# Altium PCB Layout.PcbDoc (part 1 of 4) (continued)
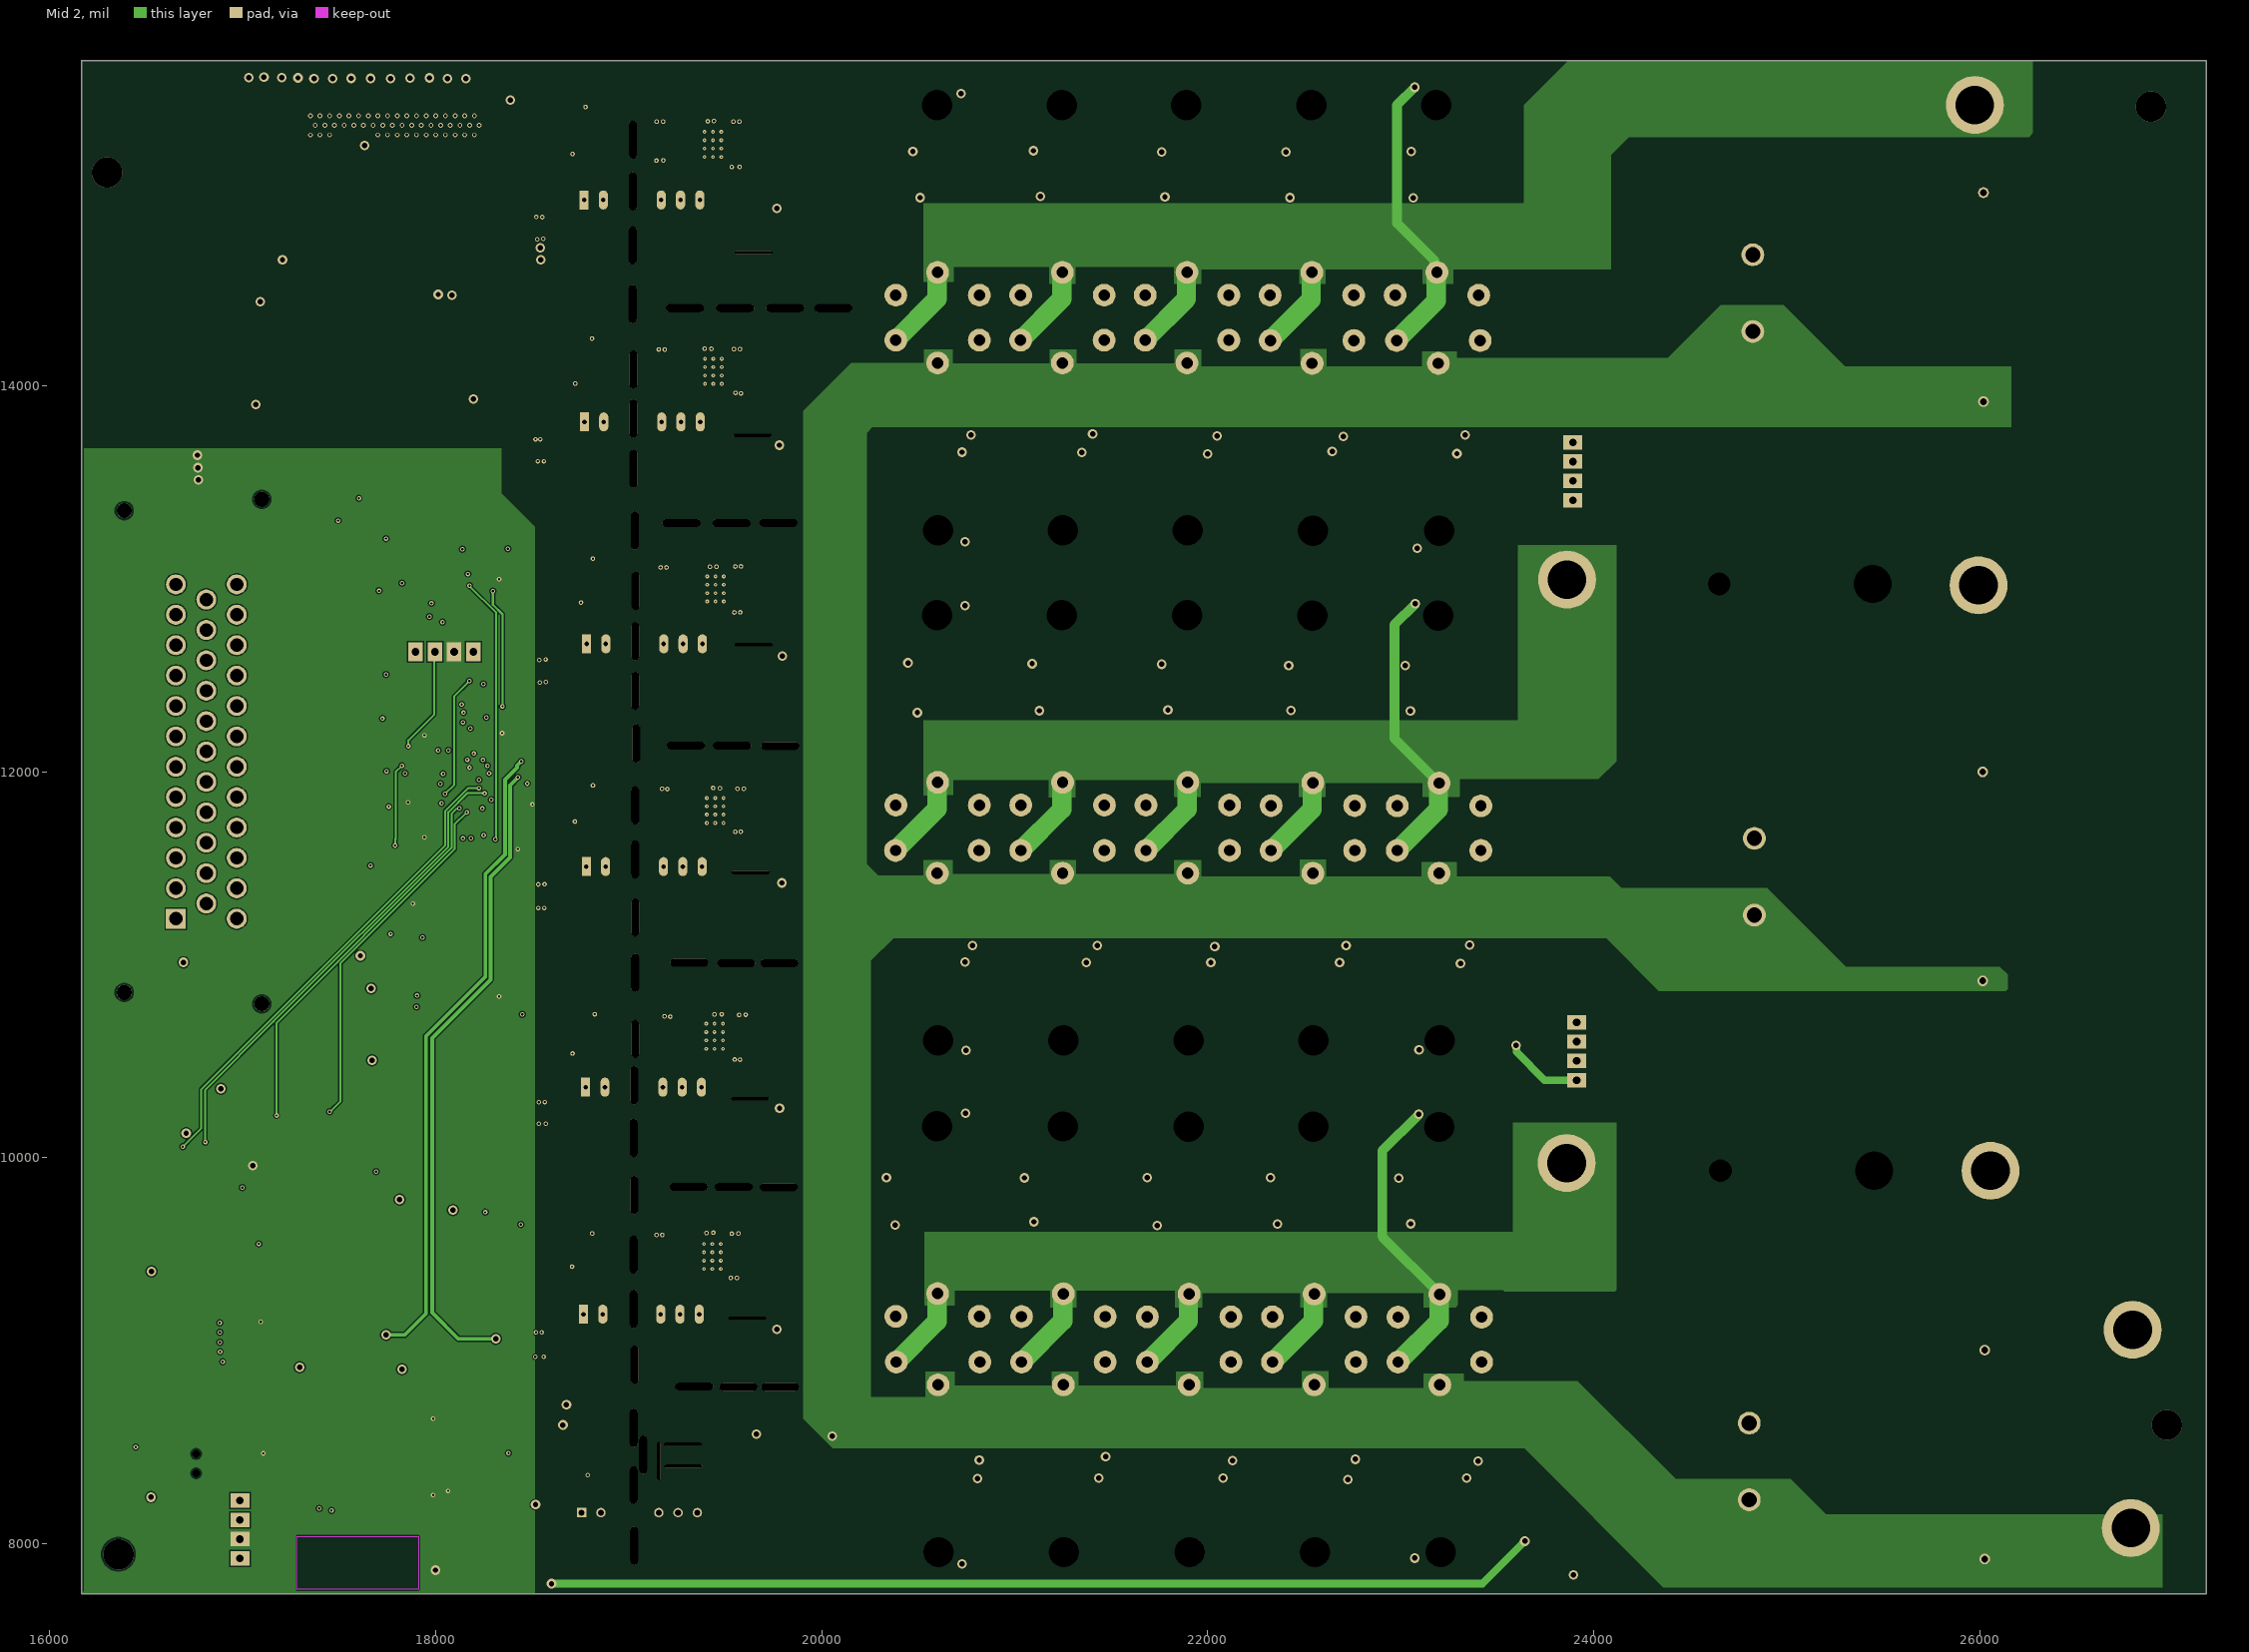
[diagram p3: Mid 2]
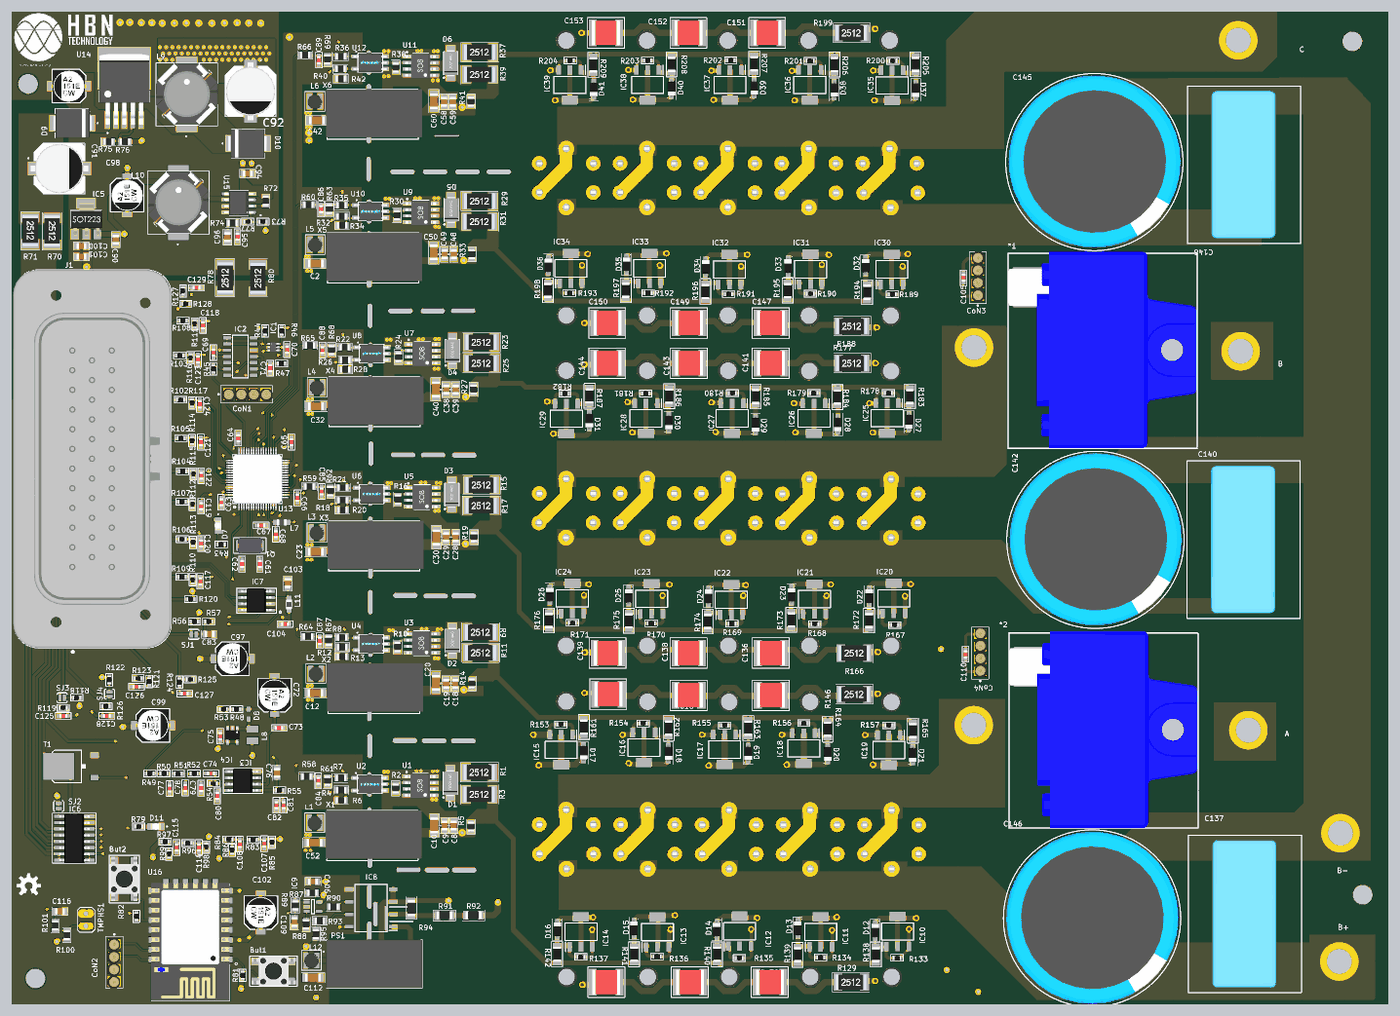
[diagram p7: 3D render of the assembled board from above, using the file's embedded part models]
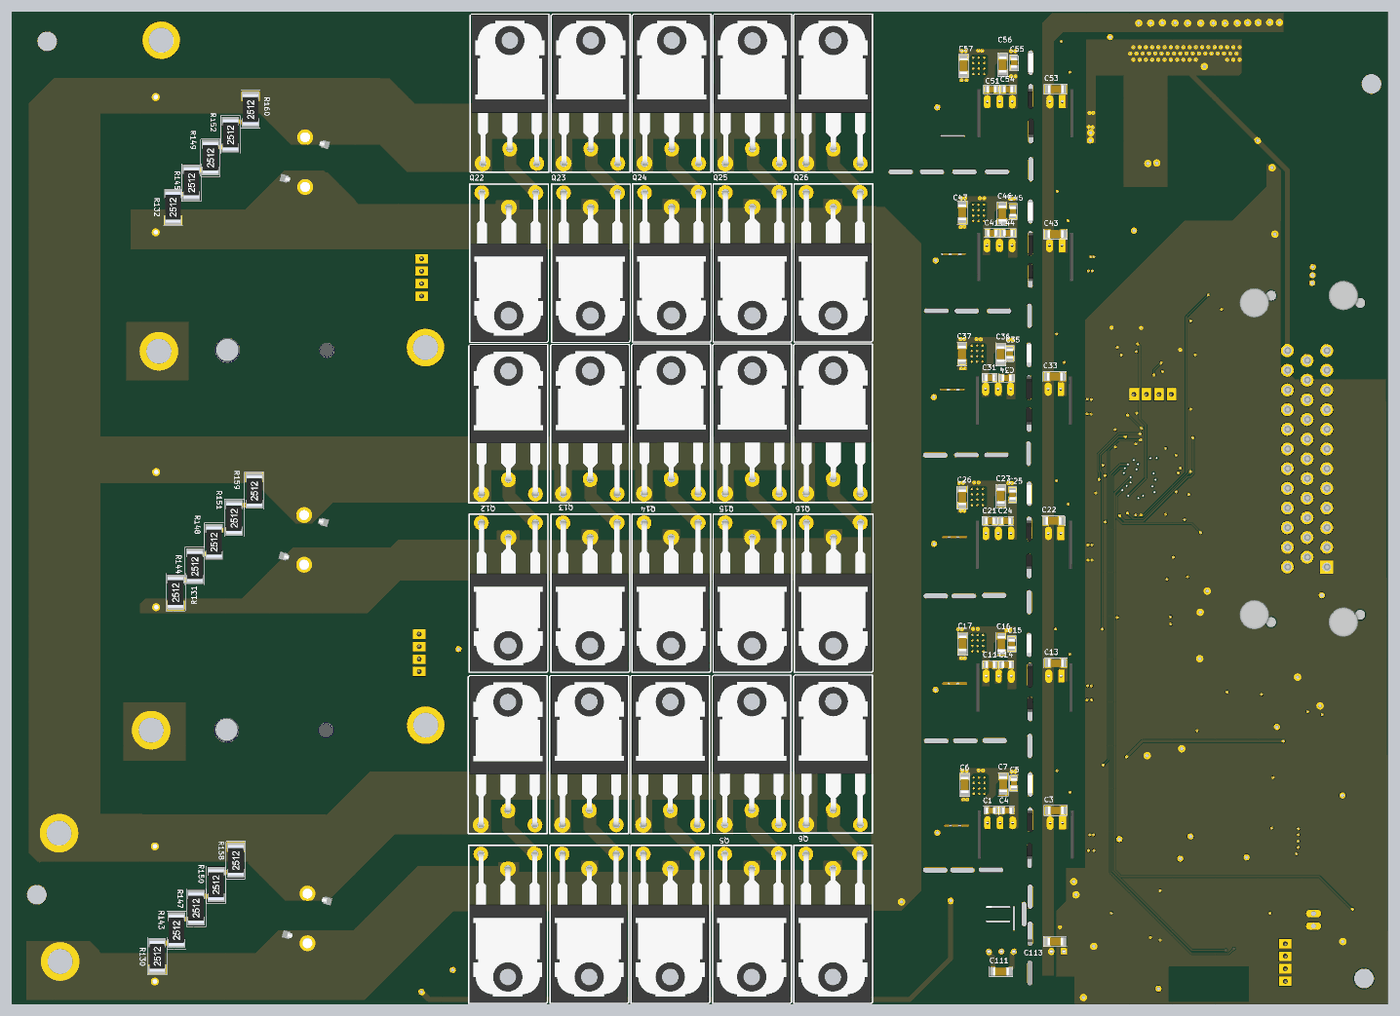
[diagram p8: 3D render of the assembled board from below, using the file's embedded part models]

## Layer stack, top to bottom
Top Solder: solder mask 0.4, Solder Resist, Dk 3.5
Top Layer: signal copper 1.378
Dielectric 2: prepreg 2.8, PP-006, Dk 4.1
Mid 1: signal copper 1.378
Dielectric 1: dielectric 12.6, FR-4, Dk 4.8
Mid 2: signal copper 1.378
Dielectric 3: prepreg 2.8, PP-006, Dk 4.1
Bottom Layer: signal copper 1.378
Bottom Solder: solder mask 0.4, Solder Resist, Dk 3.5

## Board outline
16165.19,7742.17 16165.19,15684.88 16165.35,15685.04 27172.24,15685.04 27173.23,15684.06 27173.23,7742.13 27173.19,7742.17

## Design rules (kind name [scope] priority, off if disabled: settings)
Clearance [All] p1: gap=5.98 ignorepadtopadclearanceinfootprint=FALSE except(10: Arc-Hole Track-Hole SMDPad-Hole THPad-Hole Via-Hole Fill-Hole Poly-Hole Region-Hole Text-Hole)
Clearance Clearance_1 [InNet('+12V')] p2: gap=10 ignorepadtopadclearanceinfootprint=FALSE except(0: Arc-Hole Track-Hole SMDPad-Hole THPad-Hole Via-Hole Fill-Hole Poly-Hole Region-Hole Text-Hole)
PlaneClearance [All] p1: clearance=10
PolygonConnect PolygonConnect_1 [All] p1: connectstyle=Direct reliefconductorwidth=10 reliefentries=4 polygonreliefangle="90 Angle" airgapwidth=10
PolygonConnect [All] p2: connectstyle=Relief reliefconductorwidth=10 reliefentries=4 polygonreliefangle="90 Angle" airgapwidth=10
RoomDefinition "Current Voltage Sensors" [InComponentClass('Current Voltage Sensors')] p1: confinementstyle=ConfineIn formatcopy=TRUE lockcomponents=FALSE outline 0,0 2000,0 2000,1000 0,1000
RoomDefinition "Automotive Connector" [InComponentClass('Automotive Connector')] p2: confinementstyle=ConfineIn formatcopy=TRUE lockcomponents=FALSE outline 0,0 2000,0 2000,1000 0,1000
RoomDefinition "Voltage Regulation" [InComponentClass('Voltage Regulation')] p3: confinementstyle=ConfineIn formatcopy=TRUE lockcomponents=FALSE outline 0,0 2000,0 2000,1000 0,1000
RoomDefinition "PWM Filter" [InComponentClass('PWM Filter')] p4: confinementstyle=ConfineIn formatcopy=TRUE lockcomponents=FALSE outline 0,0 2000,0 2000,1000 0,1000
RoomDefinition "Output Driver" [InComponentClass('Output Driver')] p5: confinementstyle=ConfineIn formatcopy=TRUE lockcomponents=FALSE outline 0,0 2000,0 2000,1000 0,1000
RoomDefinition Mosfets [InComponentClass('Mosfets')] p6: confinementstyle=ConfineIn formatcopy=TRUE lockcomponents=FALSE outline 0,0 2000,0 2000,1000 0,1000
RoomDefinition "Main MCU" [InComponentClass('Main MCU')] p7: confinementstyle=ConfineIn formatcopy=TRUE lockcomponents=FALSE outline 0,0 2000,0 2000,1000 0,1000
RoomDefinition "Input Filtering" [InComponentClass('Input Filtering')] p8: confinementstyle=ConfineIn formatcopy=TRUE lockcomponents=FALSE outline 0,0 2000,0 2000,1000 0,1000
RoomDefinition "Gate Driver 3" [InComponentClass('Gate Driver 3')] p9: confinementstyle=ConfineIn formatcopy=TRUE lockcomponents=FALSE outline 0,0 2000,0 2000,1000 0,1000
RoomDefinition "Gate Driver 2" [InComponentClass('Gate Driver 2')] p10: confinementstyle=ConfineIn formatcopy=TRUE lockcomponents=FALSE outline 0,0 2000,0 2000,1000 0,1000
RoomDefinition "Gate Driver 1" [InComponentClass('Gate Driver 1')] p11: confinementstyle=ConfineIn formatcopy=TRUE lockcomponents=FALSE outline 0,0 2000,0 2000,1000 0,1000
RoomDefinition Communication [InComponentClass('Communication')] p12: confinementstyle=ConfineIn formatcopy=TRUE lockcomponents=FALSE outline 0,0 2000,0 2000,1000 0,1000
RoutingVias [All] p1: holewidth=28 width=50 viastyle="Through Hole" minholewidth=28 minwidth=50 maxholewidth=28 maxwidth=50
SolderMaskExpansion [All] p1: expansion=4 istentingtop=FALSE
Width [All] p1: maxlimit=250 minlimit=5.98 preferedwidth=10 minimp=50.000000 maximp=50.000000 favimp=50.000000
29 further rules are at their usual default settings.

## Classes and differential pairs
component class Mosfets: C130 C131 C132 C133 C134 C135 C136 C137 C138 C139 C140 C141 C142 C143 C144 C145 C146 C147 C148 C149 C150 C151 C152 C153 D12 D13 D14 D15 D16 D17 D18 D19 D20 D21 D22 D23 D24 D25 D26 D27 D28 D29 D30 D31 D32 D33 D34 D35 D36 D37 D38 D39 D40 D41 IC10 IC11 IC12 IC13 IC14 IC15 IC16 IC17 IC18 IC19 IC20 IC21 IC22 IC23 IC24 IC25 IC26 IC27 IC28 IC29 IC30 IC31 IC32 IC33 IC34 IC35 IC36 IC37 IC38 IC39 Q2 Q3 Q4 Q5 Q6 Q7 Q8 Q9 Q10 Q11 Q12 Q13 Q14 Q15 Q16 Q17 Q18 Q19 Q20 Q21 Q22 Q23 Q24 Q25 Q26 Q27 Q28 Q29 Q30 Q31 R129 R130 R131 R132 R133 R134 R135 R136 R137 R138 R139 R140 R141 R142 R143 R144 R145 R146 R147 R148 R149 R150 R151 R152 R153 R154 R155 R156 R157 R158 R159 R160 R161 R162 R163 R164 R165 R166 R167 R168 R169 R170 R171 R172 R173 R174 R175 R176 R177 R178 R179 R180 R181 R182 R183 R184 R185 R186 R187 R188 R189 R190 R191 R192 R193 R194 R195 R196 R197 R198 R199 R200 R201 R202 R203 R204 R205 R206 R207 R208 R209
component class "Input Filtering": C117 C118 C119 C120 C121 C122 C123 C124 C125 C126 C127 C128 C129 R102 R103 R104 R105 R106 R107 R108 R109 R110 R111 R112 R113 R114 R115 R116 R117 R118 R119 R120 R121 R122 R123 R124 R125 R126 R127 R128 SJ3 SJ4
component class "Current Voltage Sensors": *1 *2 C105 C106 C107 C108 C109 C110 C111 C112 C113 C114 C115 C116 CoN3 CoN4 IC8 IC9 L12 PS1 R83 R84 R85 R86 R87 R88 R89 R90 R91 R92 R93 R94 R95 R96 R97 R98 R99 R100 R101 TMPHS1
component class "Voltage Regulation": C90 C91 C92 C93 C94 C95 C96 C97 C98 C99 C100 C101 D9 D10 D11 IC5 L9 L10 R70 R71 R72 R73 R74 R75 R76 R77 R78 R79 R80 U14 U15
component class "PWM Filter": C84 C85 C86 C87 C88 C89 R58 R59 R60 R61 R62 R63 R64 R65 R66 R67 R68 R69
component class "Output Driver": IC6 SJ2 T1
component class Communication: But1 But2 C102 C103 C104 CoN2 IC7 L11 R81 R82 U16
component class "Automotive Connector": C83 J1 R56 R57 SJ1
component class "Main MCU": C61 C62 C63 C64 C65 C66 C67 C68 C69 C70 C71 C72 C73 C74 C75 C76 C77 C78 C79 C80 C81 C82 CoN1 D7 D8 IC1 IC2 IC3 IC4 L7 L8 Q1 R43 R44 R45 R46 R47 R48 R49 R50 R51 R52 R53 R54 R55 U13
component class "Gate Driver 3": C41 C42 C43 C44 C45 C46 C47 C48 C49 C50 C51 C52 C53 C54 C55 C56 C57 C58 C59 C60 D5 D6 L5 L6 R29 R30 R31 R32 R33 R34 R35 R36 R37 R38 R39 R40 R41 R42 U9 U10 U11 U12 X5 X6
component class "Gate Driver 2": C21 C22 C23 C24 C25 C26 C27 C28 C29 C30 C31 C32 C33 C34 C35 C36 C37 C38 C39 C40 D3 D4 L3 L4 R15 R16 R17 R18 R19 R20 R21 R22 R23 R24 R25 R26 R27 R28 U5 U6 U7 U8 X3 X4
component class "Gate Driver 1": C1 C2 C3 C4 C5 C6 C7 C8 C9 C10 C11 C12 C13 C14 C15 C16 C17 C18 C19 C20 D1 D2 L1 L2 R1 R2 R3 R4 R5 R6 R7 R8 R9 R10 R11 R12 R13 R14 U1 U2 U3 U4 X1 X2

## Components (designator, comment, footprint, x,y, rotation, side; value= is the part's Value field where it differs from the comment)
*1 "current transducer" currenttransducer 24365.4,12477.84 r0 top
*2 "current transducer" currenttransducer 24371.87,9438.84 r0 top
But1 "BUT" ButTON 18138.76,7924.5 r0 top
But2 "BUT" ButTON 16985.51,8861.86 r270 top
C1 "2.2u" C-0805 19340.95,9289.96 r0 bottom
C2 "4.7uF" C-1206 18596.41,13668.64 r180 top
C3 "4.7uF" C-1206 18820.85,9289.96 r180 bottom
C4 "2.2u" C-0805 19210.83,9289.96 r0 bottom
C5 "100n" C-0805 19154.53,9508.66 r90 bottom
C6 "4.7uF" C-1206 19548.73,9495.56 r90 bottom
C7 "4.7uF" C-1206 19242.08,9500.36 r90 bottom
C8 "10n" C-0805 19699.1,9170.33 r90 top
C9 "100n" C-0805 19625.94,9170.28 r90 top
C10 "4.7uF" C-1206 19543.31,9171.69 r270 top
C11 "2.2u" C-0805 19343.09,10456.21 r0 bottom
C12 "4.7uF" C-1206 18593.89,10231.29 r180 top
C13 "4.7uF" C-1206 18820.26,10470.46 r180 bottom
C14 "2.2u" C-0805 19215.09,10456.21 r0 bottom
C15 "100n" C-0805 19172.93,10623.97 r90 bottom
C16 "4.7uF" C-1206 19255.21,10624.16 r90 bottom
C17 "4.7uF" C-1206 19565.34,10627.94 r90 bottom
C18 "10n" C-0805 19713.4,10304.27 r90 top
C19 "100n" C-0805 19639.96,10304.27 r90 top
C20 "4.7uF" C-1206 19557.97,10312 r270 top
C21 "2.2u" C-0805 19345.36,11608.8 r0 bottom
C22 "4.7uF" C-1206 18838.65,11608.8 r180 bottom
C23 "4.7uF" C-1206 18597.13,11360.14 r180 top
C24 "2.2u" C-0805 19219.27,11608.8 r0 bottom
C25 "100n" C-0805 19167.21,11817.63 r90 bottom
C26 "4.7uF" C-1206 19568.78,11797.95 r90 bottom
C27 "4.7uF" C-1206 19259.46,11808.36 r90 bottom
C28 "10n" C-0805 19715.36,11478.21 r90 top
C29 "100n" C-0805 19638.95,11478.79 r90 top
C30 "4.7uF" C-1206 19561.53,11475.67 r270 top
C31 "2.2u" C-0805 19347.86,12754.76 r0 bottom
C32 "4.7uF" C-1206 18598.65,12526.32 r180 top
C33 "4.7uF" C-1206 18828.07,12763.23 r180 bottom
C34 "2.2u" C-0805 19213.02,12753.66 r0 bottom
C35 "100n" C-0805 19188.41,12947.84 r90 bottom
C36 "4.7uF" C-1206 19260.34,12943.39 r90 bottom
C37 "4.7uF" C-1206 19570.3,12945.87 r90 bottom
C38 "10n" C-0805 19640.76,12659.68 r90 top
C39 "100n" C-0805 19716.47,12658.65 r90 top
C40 "4.7uF" C-1206 19558,12660.8 r270 top
C41 "2.2u" C-0805 19328.91,13913.12 r0 bottom
C42 "4.7uF" C-1206 18606.32,14814.75 r180 top
C43 "4.7uF" C-1206 18821.99,13904.3 r180 bottom
C44 "2.2u" C-0805 19201.47,13913.12 r0 bottom
C45 "100n" C-0805 19163.83,14085.1 r90 bottom
C46 "4.7uF" C-1206 19247.09,14068.41 r90 bottom
C47 "4.7uF" C-1206 19570,14076.77 r90 bottom
C48 "10n" C-0805 19701.64,13743.75 r90 top
C49 "100n" C-0805 19626.96,13743.75 r90 top
C50 "4.7uF" C-1206 19540.74,13757.2 r270 top
C51 "2.2u" C-0805 19334.62,15063.05 r0 bottom
C52 "4.7uF" C-1206 18586.95,9032.57 r180 top
C53 "4.7uF" C-1206 18819.85,15064.66 r180 bottom
C54 "2.2u" C-0805 19202.29,15063.05 r0 bottom
C55 "100n" C-0805 19153.69,15274.57 r90 bottom
C56 "4.7uF" C-1206 19243.98,15261.18 r90 bottom
C57 "4.7uF" C-1206 19557.07,15249.37 r90 bottom
C58 "10n" C-0805 19621.64,14962.27 r90 top
C59 "100n" C-0805 19693.54,14962.65 r90 top
C60 "4.7uF" C-1206 19541.57,14967.45 r270 top
C61 "22Pf" C-0603W 18149.8,11263.01 r90 top
C62 "22Pf" C-0603W 18008.35,11263.01 r90 top
C63 "1uF" C-0603W 17839.91,11757.19 r90 top
C64 "1uF" C-0603W 17976.47,12271.11 r270 top
C65 "1uF" C-0603W 18401.34,12239.62 r270 top
C66 "1uF" C-0603W 18449.56,11792.6 r90 top
C67 "1uF" C-0603W 18160.38,11572.57 r180 top
C68 "1uF" C-0603W 18277.97,11502.42 r90 top
C69 "1uF" C-0603W 17777.29,12955.57 r270 top
C70 "1nF" C-0603W 18367.79,12979.4 r90 top
C71 "1uF" C-0603W 18233.15,12830.95 r90 top
C72 "470uF" CapSmdElc 18267.53,10213.74 r90 top
C73 "1uF" C-0603W 18303.34,9951.05 r180 top
C74 "22nF" C-0603W 17757.89,9587.4 r180 top
C75 "1uF" C-0603W 17831.71,9885.57 r270 top
C76 "10uF" C-0805 18286.85,9592.73 r90 top
C77 "22nF" C-0603W 17429.75,9466.3 r90 top
C78 "22nF" C-0603W 17552.7,9471.66 r90 top
C79 "22nF" C-0603W 17680.64,9468.78 r90 top
C80 "1uF" C-0603W 17808.09,9406.99 r90 top
C81 "22nF" C-0603W 18341.19,9332.25 r90 top
C82 "22nF" C-0603W 18281.69,9332.27 r90 top
C83 "10uF" C-0805 17746.48,10703.27 r180 top
C84 "150pF" C-0603W 18617.36,9527.36 r90 top
C85 "150pF" C-0603W 18644.93,11844.32 r90 top
C86 "150pF" C-0603W 18639.95,14103.84 r90 top
C87 "150pF" C-0603W 18628.16,10649.6 r90 top
C88 "150pF" C-0603W 18650.06,12976.29 r90 top
C89 "150pF" C-0603W 18622.06,15296.42 r90 top
C90 "22uF" C-0805 16997.48,13859.16 r90 top
C91 "330UF" CAP_EEETC1C331V#1 16547,14428.7 r0 top
C92 "330UF" CAP_EEETC1C331V#2 18075,15047.01 r270 top
C93 "10uF" CapSmdElc 16623.77,15088.65 r180 top
C94 "22uF" C-0805 18052.17,14388.78 r180 top
C95 "51pF" C-0603W 17970.57,13881.82 r90 top
C96 "10nF" C-0805 17889.87,13879.85 r90 top
C97 "10uF" CapSmdElc 17930.31,10505.43 r0 top
C98 "10uF" CapSmdElc 17087.79,14216.1 r270 top
C99 "10uF" CapSmdElc 17294.22,9970.71 r0 top
C100 "22uF" C-0805 16722.2,13808.55 r0 top
C101 "22uF" C-0805 16722.21,13724.14 r0 top
C102 "10uF" CapSmdElc 18157.92,8472.59 r90 top
C103 "10uF" C-0805 18372.96,11109.83 r90 top
C104 "1uF" C-0603W 18350.89,10782.7 r0 top
C105 "1uF" C-0603W 23777.56,13554.13 r270 top
C106 "1uF" C-0805 18574,8721.23 r0 top
C107 "1nF" C-0603W 18184.49,9024.42 r90 top
C108 "1nF" C-0603W 17988.88,9021.7 r90 top
C109 "1uF" C-0805 18426.82,8396.74 r90 top
C110 "1uF" C-0603W 23793.31,10540.35 r270 top
C111 "4.7uF" C-1206 19258.86,8001.97 r0 bottom
C112 "4.7uF" C-1206 18574,7952.35 r180 top
C113 "4.7uF" C-1206 18823.74,8241.74 r180 bottom
C114 "C-0603" C-0603W 17662.72,8993.9 r90 top
C115 "1nF" C-0603W 17484.81,8993.9 r90 top
C116 "1uF" C-0805 16550.84,8484 r180 top
C117 "1uF" C-0603W 17673.42,11125.2 r90 top
C118 "1uF" C-0603W 17695.15,13173.45 r90 top
C119 "1uF" C-0603W 17680.22,11725.69 r90 top
C120 "1uF" C-0603W 17680.56,11427.38 r90 top
C121 "1uF" C-0603W 17677.64,12239.62 r90 top
C122 "1uF" C-0603W 17681.77,11970.78 r90 top
C123 "1uF" C-0603W 17655.2,12902.28 r90 top
C124 "1uF" C-0603W 17669.56,12540.36 r90 top
C125 "1nF" C-0603W 16576.71,10048.11 r0 top
C126 "1uF" C-0603W 17163.39,10281.5 r0 top
C127 "1uF" C-0603W 17548.62,10226.45 r180 top
C128 "1nF" C-0603W 16926.17,10048.11 r180 top
C129 "1uF" C-0603W 17642.98,13474.47 r180 top
C130 "10uF" C-2220R 22229.11,7916.82 r0 top
C131 "10uF" C-2220R 21589.67,7916.82 r0 top
C132 "10uF" C-2220R 20919.24,7916.82 r180 top
C133 "10uF" C-2220R 22237.8,10212.58 r0 top
C134 "10uF" C-2220R 21579.76,10212.58 r0 top
C135 "10uF" C-2220R 20937.48,10221.26 r0 top
C136 "10uF" C-2220R 22237.8,10550.43 r0 top
C137 "22uF 500V" "CAP.POL 22UF 500VDC - duplicate" 26025.59,7921.26 r90 top
C138 "10uF" C-2220R 21579.76,10550.43 r0 top
C139 "10uF" C-2220R 20932.34,10550.43 r0 top
C140 "22uF 500V" "CAP.POL 22UF 500VDC - duplicate" 26014.93,10917.02 r90 top
C141 "10uF" C-2220R 22236.7,12870.91 r0 top
C142 "400V 1000uf" "Koshin 63v 4700 cap" 24831.92,11655.61 r270 top
C143 "10uF" C-2220R 21582.68,12870.91 r0 top
C144 "10uF" C-2220R 20930,12870.91 r0 top
C145 "400V 1000uf" "Koshin 63v 4700 cap" 24823.47,14679.3 r270 top
C146 "400V 1000uf" "Koshin 63v 4700 cap" 24805.11,8625.65 r270 top
C147 "10uF" C-2220R 22236.7,13192.84 r0 top
C148 "22uF 500V" "CAP.POL 22UF 500VDC - duplicate" 26018.7,13918.31 r90 top
C149 "10uF" C-2220R 21582.68,13192.84 r0 top
C150 "10uF" C-2220R 20930,13192.84 r0 top
C151 "10uF" C-2220R 22208.8,15514.76 r0 top
C152 "10uF" C-2220R 21578.8,15514.76 r0 top
C153 "10uF" C-2220R 20916.67,15514.76 r180 top
CoN1 "4pinCon" 4pinCon 18045.17,12621.8 r270 top
CoN2 "4pinCon" 4pinCon 16985.24,8074.21 r180 top
CoN3 "4pinCon" 4pinCon 23891.73,13557.28 r0 top
CoN4 "4pinCon" 4pinCon 23911.42,10552.36 r0 top
D1 "do214" DO-214AC 19673.03,9510.24 r90 top
D2 "do214" DO-214AC 19690.46,10649.56 r90 top
D3 "do214" DO-214AC 19685.04,11818.62 r90 top
D4 "do214" DO-214AC 19690.16,12969.49 r90 top
D5 "do214" DO-214AC 19679.06,14097.94 r90 top
D6 "do214" DO-214AC 19675.95,15272.99 r90 top
D7 "ALIVE" LED_7012X1 17815.31,11572.57 r270 top
D8 "*" SOD-323F 18061.35,10062.29 r90 top value=SBR1A40S3-7
D9 "SK54" DIOM7959X265N 16647.61,14792.52 r180 top
D10 "SK54" DIOM7959X265N 18056.1,14629.92 r0 top
D11 "ALIVE" LED_7012X1 17316.95,9162.32 r180 top
D12 "1n4148" SOD123 23069.54,8389.01 r270 top
D13 "1n4148" SOD123 22450.38,8406.61 r270 top
D14 "1n4148" SOD123 21801.53,8397.15 r270 top
D15 "1n4148" SOD123 21140.06,8406.27 r270 top
D16 "1n4148" SOD123 20527.49,8398.37 r270 top
D17 "1n4148" SOD123 20740.86,9692.84 r90 top
D18 "1n4148" SOD123 21419.25,9688.98 r90 top
D19 "1n4148" SOD123 22056.24,9690.04 r90 top
D20 "1n4148" SOD123 22693.51,9684.28 r90 top
D21 "1n4148" SOD123 23372.27,9676.8 r90 top
D22 "1n4148" SOD123 23021.86,11065.12 r270 top
D23 "1n4148" SOD123 22400.05,11073.86 r270 top
D24 "1n4148" SOD123 21736.1,11064.42 r270 top
D25 "1n4148" SOD123 21097.07,11067.02 r270 top
D26 "1n4148" SOD123 20467.27,11077.23 r270 top